# Altium PCB PCB_Vega.PcbDoc (part 1 of 2) (continued)
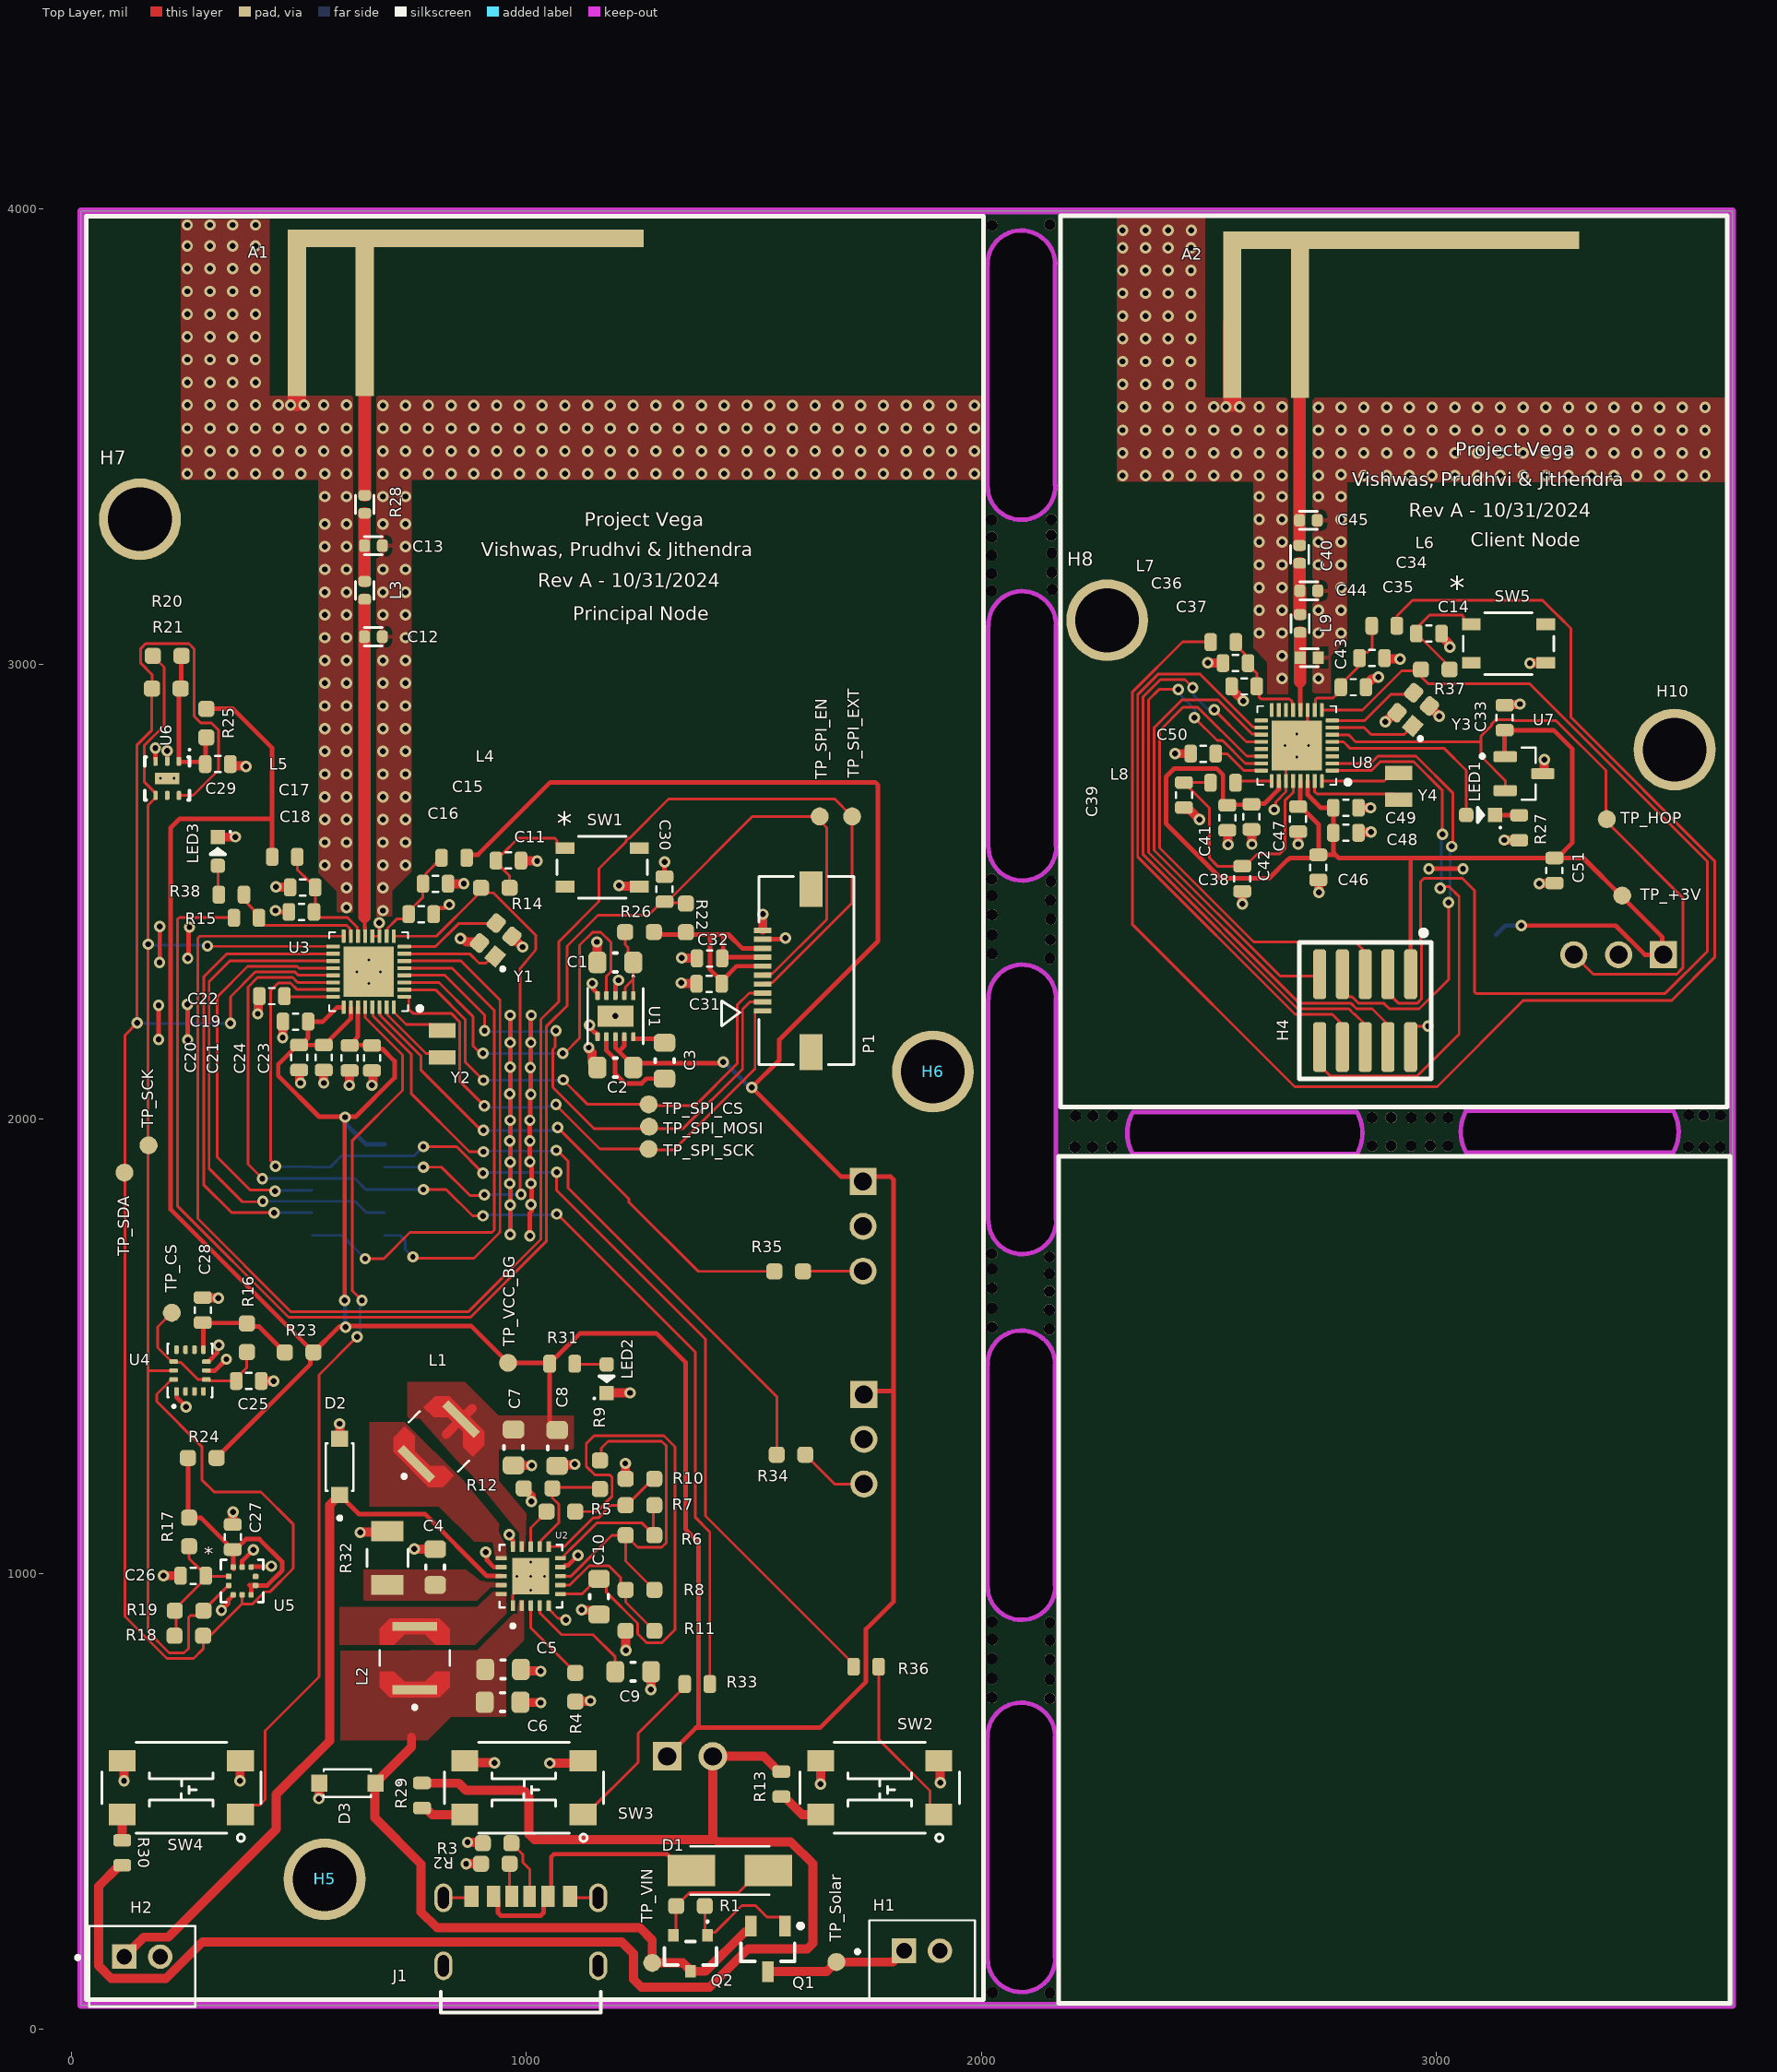
[diagram p0: Top Layer view]
## Components (designator, comment, footprint, x,y, rotation, side; value= is the part's Value field where it differs from the comment)
A1 "FANT 2.4GHz" FANT_2P4 476,3589 r0 top
A2 "FANT 2.4GHz" FANT_2P4 2532,3585 r0 top
BT1 "BAT_3034" BAT_3034 2698.52,2430 r180 bottom
C1 "2.2uF" CAP_0603_1MM 1196,2344 r0 top
C2 "2.2uF" CAP_0603_1MM 1196,2113 r0 top
C3 "0.47uF" CAP_0603_1MM 1304,2128 r90 top
C4 "4.7uF" CAP_0603_1MM 800,1015 r270 top
C5 "4.7uF" CAP_0603_1MM 949,790 r180 top
C6 "0.1uF" CAP_0603_1MM 948,718 r180 top
C7 "47uF" CAP_0603_1MM 972,1278 r90 top
C8 "0.1uF" CAP_0603_1MM 1068,1277 r90 top
C9 "0.01uF" CAP_0603_1MM 1235,785 r180 top
C10 "1uF" CAP_0603_1MM 1160,950 r90 top
C11 "0.1uF" CAPC1608X90 961,2568 r0 top
C12 "1.9pF" 0402_Passive_Capacitor#1 664,3060 r0 top value=1uF
C13 "0.9pF" 0402_Passive_Capacitor#1 664,3260 r0 top value=1uF
C14 "0.1uF" CAPC1608X90 2984,3067 r0 top
C15 "0.1uF" CAPC1608X90 800.56,2517 r0 top
C16 "120pF" CAPC1608X90 769,2450 r0 top
C17 "0.1uF" CAPC1608X90 508.56,2509 r180 top
C18 "120pF" CAPC1608X90 506,2455 r180 top
C19 "0.1uF" CAPC1608X90 493,2214 r180 top
C20 "1uF" CAPC1608X90 501,2135 r270 top
C21 "0.01uF" CAPC1608X90 555,2135 r270 top
C22 "1uF" CAPC1608X90 441,2270 r180 top
C23 "1uF" CAPC1608X90 661,2134 r270 top
C24 "0.1uF" CAPC1608X90 612,2134 r270 top
C25 "0.1uF" CAPC1608X90 390,1424 r180 top
C26 "0.1uF" CAPC1608X90 268,996 r180 top
C27 "0.1uF" CAPC1608X90 355,1081 r270 top
C28 "0.1uF" CAPC1608X90 289,1580 r90 top
C29 "0.1uF" CAPC1608X90 322,2780 r180 top
C30 "0.1uF" CAPC1608X90 1304,2505 r270 top
C31 "0.1uF" CAPC1608X90 1402,2297 r0 top
C32 "10uF" CAPC1608X90 1403,2353 r0 top
C33 "1uF" CAPC1608X90 3150.56,2882 r270 top
C34 "0.1uF" CAPC1608X90 2859,3013 r0 top
C35 "120pF" CAPC1608X90 2818,2949 r0 top
C36 "0.1uF" CAPC1608X90 2559,3002 r180 top
C37 "120pF" CAPC1608X90 2578,2951 r180 top
C38 "0.1uF" CAPC1608X90 2574,2528 r270 top
C39 "4.7uF" CAPC1608X90 2445.56,2712 r270 top
C40 "1uF" 0402_Passive_Capacitor#1 2700,3241 r90 top value=18pF
C41 "10uF" CAPC1608X90 2541,2662 r270 top
C42 "0.1uF" CAPC1608X90 2594,2664 r270 top
C43 "1uF" 0402_Passive_Capacitor#2 2721,3014 r180 top
C44 "1.3pF" 0402_Passive_Capacitor#1 2720,3161 r180 top value=1uF
C45 "1.3pF" 0402_Passive_Capacitor#1 2719,3316 r0 top value=1uF
C46 "1uF" CAPC1608X90 2741,2553 r270 top
C47 "0.01uF" CAPC1608X90 2696.56,2659 r270 top
C48 "1uF" CAPC1608X90 2801.56,2629 r0 top
C49 "0.1uF" CAPC1608X90 2801.56,2684 r0 top
C50 "1uF" CAPC1608X90 2488,2803 r180 top
C51 "10uF" CAPC1608X90 3260,2546 r270 top
D1 "SS12" DIOM4427X270N 1448,348 r180 top
D2 "BZT52C4V7T-7" SOD3715X135N 590,1235 r90 top
D3 "BZT52C4V7T-7" SOD3715X135N 607,540 r180 top
H1 "JST2PH" JST_B2B-PH-K-S(LF)(SN) 1870,150 r180 top
H2 "JST2PH" JST_B2B-PH-K-S(LF)(SN) 156,137 r180 top
H3 "Mini SWD" FTSH-105-01-XXX-DV-K 609,1844 r270 bottom
H4 "Mini SWD" FTSH-105-01-XXX-DV-K 2844,2238 r180 top
H5 "#4 Hole" HOLE_#4 557,329 r0 top
H6 "#4 Hole" HOLE_#4 1894,2104 r0 top
H7 "#4 Hole" HOLE_#4 151,3318 r0 top
H8 "#4 Hole" HOLE_#4 2277,3096 r0 top
H9 "0.1\" M Header" 2-PIN_MALE_HEADER_01-IN 1360,599 r0 bottom
H10 "#4 Hole" HOLE_#4 3524,2812 r0 top
J1 "Female USB Type C" GCT_USB4125-GF-A_REVA2 988,170 r0 top
J2 "S3B-XH-A" JST_S3B-XH-A 3401,2340.33 r0 bottom
J3 "S3B-XH-A" JST_S3B-XH-A 1763,1296 r90 bottom
J4 "S3B-XH-A" JST_S3B-XH-A 1761,1764 r90 bottom
L1 "10uH" IND_LPS4018-103MRB 808,1291 r45 top
L2 "22uH" IND_LPS4018-223MRC 755,815 r90 top
L3 "2.1nH" 0402_Inductor 645,3162 r90 top
L4 "1 kOhms @ 100 MHz" INDC1608X95N 841.56,2574 r180 top
L5 "1 kOhms @ 100 MHz" INDC1608X95N 469.2,2576.01 r0 top
L6 "1 kOhms @ 100 MHz" INDC1608X95N 2886,3084 r180 top
L7 "1 kOhms @ 100 MHz" INDC1608X95N 2532,3048 r0 top
L8 "2.2uH" INDC1608X95N 2531.56,2739 r180 top
L9 "2.6nH" 0402_Inductor 2701,3089 r90 top
LED1 "GRN 0603" LED_0603_GRN_WL-SMCW 3097.56,2668 r180 top
LED2 "GRN 0603" LED_0603_GRN_WL-SMCW 1177,1429 r90 top
LED3 "GRN 0603" LED_0603_GRN_WL-SMCW 322,2588 r270 top
P1 "FPC/FFC -5051101092" CON_5051101092_MOL 1616,2326 r90 top
Q1 "NCE3407A" NCEP-SOT23-3_M 1531,176 r270 top
Q2 "2N7002,215" NXP-SOT23-3_V 1361,166 r270 top
R1 "5.1K 1%" RES_0603_1608X06 1361,270 r180 top value=316kR
R2 "5.1K 1%" RES_0603_1608X06 932,363 r180 top value=316kR
R3 "5.1K 1%" RES_0603_1608X06 936,408 r180 top value=316kR
R4 "0E 1%" RES_0603_1608X06 1108,751 r90 top value=316kR
R5 "1.24M 1%" RES_0603_1608X06 1076,1137 r180 top value=316kR
R6 "1M 1%" RES_0603_1608X06 1250,1085 r0 top value=316kR
R7 "7.5M 1%" RES_0603_1608X06 1250,1151 r180 top value=316kR
R8 "7.32M 1%" RES_0603_1608X06 1250,965 r180 top value=316kR
R9 "8.060M 1%" RES_0603_1608X06 1162,1218 r270 top value=316kR
R10 "4.32M 1%" RES_0603_1608X06 1250,1209 r180 top value=316kR
R11 "5.62M 1%" RES_0603_1608X06 1250,875 r180 top value=316kR
R12 "4.75M 1%" RES_0603_1608X06 1026,1188 r180 top value=316kR
R13 "5.1K 1%" RES_0603 1561,538 r270 top value=316kR
R14 "140 ohm 1 %" RES_0603_1608X06 932,2508 r0 top value=140R
R15 "0ohm 1%" RES_0603 385,2442 r180 top
R16 "0ohm 1 %" RES_0603_1608X06 386,1519 r270 top value=140R
R17 "0R 1 %" RES_0603_1608X06 259,1092 r270 top value=140R
R18 "10Kohm 1 %" RES_0603_1608X06 258.5,864 r0 top value=140R
R19 "10Kohm 1 %" RES_0603_1608X06 259,919 r0 top value=140R
R20 "10Kohm 1 %" RES_0603_1608X06 211,3018 r0 top value=140R
R21 "10Kohm 1 %" RES_0603_1608X06 209,2946 r0 top value=140R
R22 "0 ohm 1 %" RES_0603_1608X06 1351,2442 r270 top value=140R
R23 "0 ohm 1 %" RES_0603_1608X06 501,1487 r180 top value=140R
R24 "0 ohm 1 %" RES_0603_1608X06 288,1255 r180 top value=140R
R25 "0 ohm 1 %" RES_0603_1608X06 297,2870 r270 top value=140R
R26 "0 ohm 1 %" RES_0603_1608X06 1249,2411 r0 top value=140R
R27 "1K" RES_0603 3182.56,2640 r90 top
R28 "0E Ohm 1%" 0402_Passive_Resistor 645,3351 r90 top value="0 Ohm"
R29 "5.1K 1%" RES_0603 771,513 r270 top value=316kR
R30 "5.1K 1%" RES_0603 112,387 r90 top value=316kR
R31 "1k Ohm" RES_0603 1079,1462 r180 top
R32 "10k" 1206_Passive_Resitor 695,1035 r90 top value=0E
R33 "0ohm 1%" RES_0603 1376,758 r180 top
R34 "140 ohm 1 %" RES_0603_1608X06 1582,1262 r180 top value=140R
R35 "140 ohm 1 %" RES_0603_1608X06 1577,1665 r0 top value=140R
R36 "0ohm 1%" RES_0603 1747,796 r0 top
R37 "140 ohm 1 %" RES_0603_1608X06 2998,2988 r0 top value=140R
R38 "1Kohm 1%" RES_0603 352,2493 r180 top
SW1 "PRS810 SW" PTS810_CNK 1167,2553 r0 top
SW2 "TL3305AF160QG" Switch_JLC 1777,530 r180 top
SW3 "TL3305AF160QG" Switch_JLC 995,530 r180 top
SW4 "TL3305AF160QG" Switch_JLC 242,530 r180 top
SW5 "PRS810 SW" PTS810_CNK 3159,3045 r0 top
TP_+3V "+5V" 1#1 3409,2491 r90 top
TP_CS "Test_point" 1#1 221,1574 r0 top
TP_HOP "HE_sensor_o/p" 1#1 3375,2659 r90 top
TP_SCK "Test_point" 1#1 170,1942 r0 top
TP_SDA "Test_point" 1#1 117,1882 r0 top
TP_Solar "Test_point" 1#1 1682,147 r0 top
TP_SPI_CS "Test_point" 1#2 1269,2037 r90 top
TP_SPI_EN "Test_point" 1#1 1645,2665 r90 top
TP_SPI_EXT "Test_point" 1#3 1716.34,2667.94 r90 top
TP_SPI_MOSI "Test_point" 1#4 1273,1983 r180 top
TP_SPI_SCK "Test_point" 1#5 1269,1938 r0 top
TP_VCC_BG "Test_point" 1#1 960,1464 r90 top
TP_VIN "Test_point" 1#1 1277,145 r0 top
U1 "LM2750SD-5.0" LM2750_DFN300X300X80-11N 1196,2226 r270 top
U2 "BQ25570RGRT_New" "QFN50P350X350X100-21N - DUPLICATE" 1010,995.04 r90 top
U3 "EFR32BG21A010F1024IM32-BR" QFN32-EFR32XG2XIM32-BR 653.85,2323.63 r180 top
U4 "BMI270" XDCR_BMI270 261,1447 r90 top
U5 "BMP581" QFN10_BMP581_BOS-M 375.68,984.49 r0 top
U6 "OPT3001DNPR" OPT3001-SON127P600-8N 211,2748.6 r270 top
U7 "TMAG5231A2DQDBZR" SOT95P237X112-3N 3193,2759 r0 top
U8 "QFN-EFR32MG22C224F512IM32-C" QFN32-EFR32XG2XIM32-BR 2693.68,2820.85 r180 top
Y1 "OSC_38.4MHz" OSC_38.4MHZ 933,2394 r140 top
Y2 "OSC_32.768KHz" OSC_32.768KHZ 815,2165 r270 top
Y3 "OSC_38.4MHz" OSC_38.4MHZ 2949.69,2900.31 r140 top
Y4 "OSC_32.768KHz" OSC_32.768KHZ 2917.56,2731 r90 top

## Footprints (in the part's own frame and the unit in brackets; to place one, negate y for a bottom-side part, rotate by r counter-clockwise, add the part's x,y. Pads: shape width x height; smd on the part's side, far side on the other; paste and mask are expansions set on the pad)
1#1 [mm] "Test point"
  round 1 smd: TP(0,0)
1#2 [mm] "Test point"
  round 1 smd: TP(-0.127,0)
1#3 [mm] "Test point"
  round 1 smd: TP(-0.075,0)
1#4 [mm] "Test point"
  round 1 smd: TP(0.076,0)
1#5 [mm] "Test point"
  round 1 smd: TP(0,-0.102)
2-PIN_MALE_HEADER_01-IN [mm] "Terminal Assembly, 1x2 Pins, Vertical, 2.54mm Pitch, Male"
  rect 1.6x1.6 hole 1.02: 1(-1.27,0)
  round 1.6 hole 1.02: 2(1.27,0)
  silkscreen extent -2.73,-1.24 2.73,1.24, body extent -2.54,-1.22 2.54,1.27, height 8.54
0402_Inductor [mm] "Reference: https://www.worthingtonassembly.com/perfect-0402-footprint"
  rrect50% 0.6x0.7 smd mask+0: 1(-0.5,0) 2(0.5,0)
  silkscreen extent -0.51,-0.51 0.51,0.51, body extent -0.5,-0.27 0.5,0.28, height 0.5
0402_Passive_Capacitor#1 [mm] "Reference: https://www.worthingtonassembly.com/perfect-0402-footprint"
  rrect50% 0.6x0.7 smd mask+0: 1(-0.5,0) 2(0.5,0)
  silkscreen extent -0.51,-0.51 0.51,0.51, body extent -0.5,-0.27 0.5,0.28, height 0.5
0402_Passive_Capacitor#2 [mm] "Reference: https://www.worthingtonassembly.com/perfect-0402-footprint"
  rect 0.6x0.7 smd mask+0: 1(-0.5,0) 2(0.5,0)
  silkscreen extent -0.51,-0.51 0.51,0.51, body extent -0.5,-0.27 0.5,0.28, height 0.5
0402_Passive_Resistor [mm] "Reference: https://www.worthingtonassembly.com/perfect-0402-footprint"
  rrect50% 0.6x0.7 smd mask+0: 1(-0.5,0) 2(0.5,0)
  silkscreen extent -0.51,-0.51 0.51,0.51, body extent -0.49,-0.25 0.51,0.25, height 0.4
1206_Passive_Resitor [mil]
  rect 44x71 smd: 1(-59,0) 2(59,0)
  silkscreen extent -19,-45 19,45, body extent -61,-31 61,31, height 26
BAT_3034 [mm]
  round 7.62 smd paste-3: N(0,0)
  rect 1.27x5.08 smd: P1(-10.985,0) P2(10.985,0)
  silkscreen extent -10.61,-8.73 10.61,7.74, body extent -11.62,-8.76 11.62,7.72, height 4.06
CAP_0603_1MM [mm] "Chip Capacitor, 2-Leads, Body 1.60x0.80mm, IPC Medium Density"
  rrect50% 1x1.2 smd: 1(-1,0) 2(1,0)
  silkscreen extent -0.1,-0.53 0.1,0.53, body extent -0.9,-0.5 0.9,0.5, height 1
CAPC1608X90 [mm]
  rrect50% 0.7x1 smd: 1(-0.7,0) 2(0.7,0)
  silkscreen extent -0.15,-0.45 0.15,0.45, body extent -0.8,-0.4 0.8,0.4, height 0.9
CON_5051101092_MOL [mm] "10 Position FFC, FPC Connector Contacts, Bottom 0.020\" (0.50mm) Surface Mount, Right Angle"
  rect 0.3x1 smd paste+0 mask+0.025: 1(-2.25,2.45) 2(-1.75,2.45) 3(-1.25,2.45) 4(-0.75,2.45) 5(-0.25,2.45) 6(0.25,2.45) 7(0.75,2.45) 8(1.25,2.45) 9(1.75,2.45) 10(2.25,2.45)
  rect 2x1.3 smd paste+0 mask+0.025: P1(-4.55,-0.25) P2(4.55,-0.25)
  silkscreen extent -5.25,-2.65 5.25,4.74, body extent -5.25,-2.72 5.25,2.58, height 1.88
DIOM4427X270N [mm]
  rect 2.65x1.75 smd: A(2.15,0) C(-2.15,0)
  silkscreen extent -2.2,-1.35 2.2,1.35, body extent -2.6,-1.36 2.6,1.36, height 2.71
FANT_2P4 [mil]
  rect 40x331 smd paste-1000 mask+4: FEED(169,165.5) GND(20,165.5)
  rect 782x39 smd paste-1000 mask+4: GND(391,346.5)
FTSH-105-01-XXX-DV-K [mil]
  rrect50% 29x110 smd mask+2: 1(-100,-80) 2(-100,80) 3(-50,-80) 4(-50,80) 5(0,-80) 6(0,80) 7(50,-80) 8(50,80) 9(100,-80) 10(100,80)
  silkscreen extent -145,-177 145,150, body extent -125,-115 125,115, height 241
GCT_USB4125-GF-A_REVA2 [mm]
  rect 0.7x1.2 smd mask+0.051: A5(-0.5,3.08) B5(0.5,3.08)
  rect 0.76x1.2 smd mask+0.051: A9(1.52,3.08) B9(-1.52,3.08)
  rect 0.8x1.2 smd mask+0.051: A12(2.75,3.08) B12(-2.75,3.08)
  oval 1x1.6 hole 0.6 slot 1.2 at 90 deg mask+0: S1(-4.32,3) S2(4.32,3) S3(-4.32,-0.8) S4(4.32,-0.8)
  silkscreen extent -4.47,-3.4 4.47,-2.25, body extent -4.47,-3.45 4.47,3.45, height 3.26
HOLE_#4 [mil]
  round 180 hole 140: 1(0,0)
IND_LPS4018-103MRB [mm]
  rect 0.5x2.5 smd paste-2 mask+0: 1(-1.765,0) 2(1.765,0)
  Top Layer region: 2.2,1.395 2.2,-1.395 1.64,-1.945 0.75,-1.945 0.75,-1.17 1.33,-0.575 1.33,0.575 0.75,1.17 0.75,1.945 1.64,1.945
  Top Layer region: -0.75,1.17 -1.33,0.575 -1.33,-0.575 -0.75,-1.17 -0.75,-1.945 -1.64,-1.945 -2.2,-1.395 -2.2,1.395 -1.64,1.945 -0.75,1.945
  silkscreen extent -2.85,-1.95 0.43,1.95, body extent -1.99,-2.03 1.99,1.95, height 1.81
IND_LPS4018-223MRC [mm]
  rect 0.5x2.5 smd paste-2 mask+0: 1(-1.765,0) 2(1.765,0)
  Top Layer region: 2.2,1.395 2.2,-1.395 1.64,-1.945 0.75,-1.945 0.75,-1.17 1.33,-0.575 1.33,0.575 0.75,1.17 0.75,1.945 1.64,1.945
  Top Layer region: -0.75,1.17 -1.33,0.575 -1.33,-0.575 -0.75,-1.17 -0.75,-1.945 -1.64,-1.945 -2.2,-1.395 -2.2,1.395 -1.64,1.945 -0.75,1.945
  silkscreen extent -2.85,-1.95 0.43,1.95, body extent -1.99,-1.99 1.99,1.99, height 1.8
INDC1608X95N [mm]
  rrect50% 0.7x1 smd: 1(-0.7,0) 2(0.7,0)
  body extent -0.8,-0.4 0.8,0.4, height 0.95
JST_B2B-PH-K-S(LF)(SN) [mm]
  rect 1.368x1.368 / inner round 1.368 / far side rect 1.368x1.368 hole 0.86: 1(1,-0.55)
  round 1.368 hole 0.86: 2(-1,-0.55)
  silkscreen extent -2.95,-2.25 3.7,2.25, body extent -2.95,-2.25 2.95,2.25, height 6.05
JST_S3B-XH-A [mm]
  rect 1.508x1.508 / inner round 1.508 / far side rect 1.508x1.508 hole 1: 1(2.5,-0.525)
  round 1.508 hole 1: 2(0,-0.525) 3(-2.5,-0.525)
  silkscreen extent -4.95,-2.88 5.85,2.88, body extent -4.95,-2.92 4.95,8.58, height 6.1
LED_0603_GRN_WL-SMCW [mm] "SODFL, 2-Leads, Body 0.80x1.80mm, IPC Medium Density"
  rrect50% 0.8x0.8 smd: A(0.8,0)
  rect 0.8x0.8 smd: C(-0.8,0)
  silkscreen extent -1.15,-0.4 0.15,0.75, body extent -0.8,-0.4 0.8,0.4, height 0.71
LM2750_DFN300X300X80-11N [mm]
  rect 0.5x0.25 smd: 1(-1.15,1)
  rrect50% 0.5x0.25 smd: 2(-1.15,0.5) 3(-1.15,0) 4(-1.15,-0.5) 5(-1.15,-1) 6(1.15,-1) 7(1.15,-0.5) 8(1.15,0) 9(1.15,0.5) 10(1.15,1)
  rect 1.2x2 smd: 11(0,0)
  silkscreen extent -2.28,-1.55 1.55,1.55, body extent -1.5,-1.5 1.5,1.5, height 0.8
NCEP-SOT23-3_M [mm] "SOT23, 3-Leads, Body 3x1.4mm, Pitch 0.95mm, IPC Low Density"
  rect 1.15x0.65 smd: 1(-1.275,0.95) 2(-1.275,-0.95) 3(1.275,0)
  silkscreen extent -1.4,-1.5 0.7,1.95, body extent -1.28,-1.5 1.28,1.5, height 1.15
NXP-SOT23-3_V [mm] "SOT23, 3-Leads, Body 2.9x1.3mm, Pitch 0.95mm"
  rect 0.7x0.6 smd paste-0.05: 1(-1,0.95) 2(-1,-0.95) 3(1,0)
  silkscreen extent -1.79,-1.45 0.65,1.45, body extent -1.3,-1.5 1.3,1.5, height 1.1
OPT3001-SON127P600-8N [mm] "SENSOR OPT 550NM AMBIENT 6 UDFN"
  rrect50% 0.5x0.25 smd mask+0.07: 1(-0.95,0.65) 2(-0.95,0) 3(-0.95,-0.65) 4(0.95,-0.65) 5(0.95,0) 6(0.95,0.65)
  rect 0.65x1.35 smd mask+0.07: 7(0,0)
  silkscreen extent -1.65,-1.25 1.2,1.3, body extent -1.05,-1.1 1.05,1.1, height 0.65
OSC_32.768KHZ [mm] "Tuning Fork Crystal 32.768kHz in 1.2 x 2.0mm package"
  rect 0.8x1.5 smd: 1(-0.75,0) 2(0.75,0)
  body extent -1,-0.6 1,0.6, height 0.6
OSC_38.4MHZ [mm] "38.4 MHz ±10ppm Crystal 10pF 40 Ohms 4-SMD, No Lead"
  rect 0.85x0.95 smd: 1(-0.575,0.725)
  rrect50% 0.85x0.95 smd: 2(-0.575,-0.725) 3(0.575,-0.725) 4(0.575,0.725)
  silkscreen extent -1.45,0.9 -1.25,1.1, body extent -0.8,-0.99 0.8,1.01, height 0.7
PTS810_CNK [mil]
  rect 41x26 smd paste+0 mask+0: 1(-81.69,42.32) 2(81.69,42.32) 3(-81.69,-42.32) 4(81.69,-42.32)
  silkscreen extent -100,-68 100,68, body extent -91,-63 91,63, height 106
QFN10_BMP581_BOS-M [mm]
  rect 0.325x0.3 smd paste+0 mask+0.05: 1(-0.75,0.25)
  rrect50% 0.325x0.3 smd paste+0 mask+0.05: 2(-0.75,-0.25) 6(0.75,-0.25) 7(0.75,0.25)
  rrect50% 0.3x0.325 smd paste+0 mask+0.05: 3(-0.5,-0.775) 4(0,-0.775) 5(0.5,-0.775) 8(0.5,0.775) 9(0,0.775) 10(-0.5,0.775)
  silkscreen extent -1.18,-1.18 1.18,1.18, body extent -1.05,-1.05 1.05,1.05, height 0.81
QFN32-EFR32XG2XIM32-BR [mm] "QFN, 32-Leads, Body 4.00x4.00mm, Pitch 0.40mm, Thermal Pad 2.80x2.80mm, IPC Medium Density"
  rrect50% 0.76x0.22 smd mask+0.06: 1(-1.985,1.4) 8(-1.985,-1.4) 17(1.985,-1.4) 24(1.985,1.4)
  rect 0.76x0.22 smd mask+0.06: 2(-1.985,1) 3(-1.985,0.6) 4(-1.985,0.2) 5(-1.985,-0.2) 6(-1.985,-0.6) 7(-1.985,-1) 18(1.985,-1) 19(1.985,-0.6) 20(1.985,-0.2) 21(1.985,0.2) 22(1.985,0.6) 23(1.985,1)
  rrect50% 0.22x0.76 smd mask+0.06: 9(-1.4,-1.985) 16(1.4,-1.985) 25(1.4,1.985) 32(-1.4,1.985)
  rect 0.22x0.76 smd mask+0.06: 10(-1,-1.985) 11(-0.6,-1.985) 12(-0.2,-1.985) 13(0.2,-1.985) 14(0.6,-1.985) 15(1,-1.985) 26(1,1.985) 27(0.6,1.985) 28(0.2,1.985) 29(-0.2,1.985) 30(-0.6,1.985) 31(-1,1.985)
  rect 2.8x2.8 smd paste-1817.05: 33(0,0)
  rect 1.1x1.1 on Top Paste mask+0.06: ""(-0.65,0.65) ""(-0.65,-0.65) ""(0.65,0.65) ""(0.65,-0.65)
  silkscreen extent -2.98,-2.2 2.2,2.2, body extent -2.05,-2.05 2.05,2.05, height 0.9
"QFN50P350X350X100-21N - DUPLICATE" [mm]
  rect 0.6x0.24 smd mask+0.07: 1(-1.65,1)
  rrect25% 0.6x0.24 smd mask+0.07: 2(-1.65,0.5) 3(-1.65,0) 4(-1.65,-0.5) 5(-1.65,-1) 11(1.65,-1) 12(1.65,-0.5) 13(1.65,0) 14(1.65,0.5) 15(1.65,1)
  rrect25% 0.24x0.6 smd mask+0.07: 6(-1,-1.65) 7(-0.5,-1.65) 8(0,-1.65) 9(0.5,-1.65) 10(1,-1.65) 16(1,1.65) 17(0.5,1.65) 18(0,1.65) 19(-0.5,1.65) 20(-1,1.65)
  rect 2.05x2.05 smd paste-1817.05 mask+0.07: 21(0,0)
  rect 0.92x0.92 on Top Paste paste-0.375 mask+0.07: ""(-0.56,-0.56) ""(-0.56,0.56) ""(0.56,-0.56) ""(0.56,0.56)
  silkscreen extent -2.88,-1.75 1.75,1.75, body extent -1.75,-1.75 1.75,1.75, height 1
RES_0603 [mm] "Thick film general purpose resistor 0603"
  rrect50% 0.7x1 smd: 1(-0.7,0) 2(0.7,0)
  body extent -0.8,-0.4 0.8,0.4, height 0.55
RES_0603_1608X06 [mm] "Chip Resistor, 2-Leads, Body 1.60x0.80mm, IPC Medium Density"
  rrect50% 0.9x0.9 smd: 1(-0.8,0) 2(0.8,0)
  body extent -0.78,-0.43 0.77,0.42, height 0.45
SOD3715X135N [mm]
  rect 0.9x0.95 smd: 1(-1.575,0) 2(1.575,0)
  silkscreen extent -2.95,-0.77 1.33,0.77, body extent -1.83,-0.77 1.83,0.77, height 1.45
SOT95P237X112-3N [mm]
  rrect25% 1.3x0.6 smd: 1(-1.05,0.95) 2(-1.05,-0.95) 3(1.05,0)
  silkscreen extent -2.42,-1.46 0.65,1.46, body extent -1.18,-1.46 1.18,1.46, height 1.12
Switch_JLC [mm]
  rect 1.5x1.2 smd: 1(-3.3,1.5) 2(3.3,1.5) 3(-3.3,-1.5) 4(3.3,-1.5)
  silkscreen extent -4.44,-2.54 4.45,3, body extent -3.8,-2.29 3.7,2.21, height 3.7
XDCR_BMI270 [mm]
  rect 0.475x0.25 smd: 1(-1.162,0.75)
  rrect50% 0.475x0.25 smd: 2(-1.162,0.25) 3(-1.162,-0.25) 4(-1.162,-0.75) 8(1.162,-0.75) 9(1.162,-0.25) 10(1.162,0.25) 11(1.162,0.75)
  rrect50% 0.25x0.475 smd: 5(-0.5,-0.913) 6(0,-0.913) 7(0.5,-0.913) 12(0.5,0.913) 13(0,0.913) 14(-0.5,0.913)
  silkscreen extent -2.07,-1.25 1.5,1.25, body extent -1.5,-1.25 1.5,1.25, height 0.87

## Part data
A1 A2: library part FANT_2P4, "Inverted F antenna"
BT1: "SMT Holder for 20mm Cell-Tin Nickel Plate", Package=None, Supplier Part Number 1=36-3034-ND, Availability="Not in stock", Check_prices=https://www.snapeda.com/parts/3034/Keystone+Electronics/view-part/?ref=eda, MF="Keystone Electronics Corp.", MP=3034, Price=None, SnapEDA_Link=https://www.snapeda.com/parts/3034/Keystone+Electronics/view-part/?ref=snap, Supplier 1=Digikey
C1: library part GRM188R61A226ME15D, Capacitance="22 uF", Case Code - in=0603, Case Code - mm=1608, Dielectric=X5R, Manufacturer=Murata, Maximum Operating Temperature="+ 85 C", Minimum Operating Temperature="- 55 C", Package / Case="0603 (1608 metric)", Supplier Part Number 1=490-10476-1-ND, Tolerance="20 %", Voltage Rating DC="10 VDC", Brand="Murata Electronics", ComponentLink1Description=http://www.farnell.com/datasheets/2047978.pdf?src-supplier=Element14, ComponentLink1URL=http://www.farnell.com/datasheets/2047978.pdf?src-supplier=Element14, Factory Pack Quantity=4000, Height="0.8 mm", Length="1.6 mm", Manufacturer Part Number=GRM188R61A226ME15D, Packaging=Reel, Pricing 1="1=0.33, 10=0.226, 50=0.1506, 100=0.1279, 500=0.0903, 1000=0.079 (USD)", Product="General Type MLCCs", Product Category="Multilayer Ceramic Capacitors MLCC - SMD/SMT", RoHS=True, Series=GRM, Stock 1=849458, Supplier 1=Digi-Key, Termination Style=SMD/SMT, Type="Voltage and Temperature Derating Recommended Product", Unit Weight="0.000222 oz", Width="0.8 mm"
C2 C3 C4 C5 C6 C7 C8 C9 C10: library part GRM188R61A226ME15D, "CAP CER 22UF 10V X5R 0603", Capacitance="22 uF", Case Code - in=0603, Case Code - mm=1608, Dielectric=X5R, Manufacturer=Murata, Maximum Operating Temperature="+ 85 C", Minimum Operating Temperature="- 55 C", Package / Case="0603 (1608 metric)", Supplier Part Number 1=490-10476-1-ND, Tolerance="20 %", Voltage Rating DC="10 VDC", Brand="Murata Electronics", ComponentLink1Description=http://www.farnell.com/datasheets/2047978.pdf?src-supplier=Element14, ComponentLink1URL=http://www.farnell.com/datasheets/2047978.pdf?src-supplier=Element14, Factory Pack Quantity=4000, Height="0.8 mm", Length="1.6 mm", Manufacturer Part Number=GRM188R61A226ME15D, Packaging=Reel, Pricing 1="1=0.33, 10=0.226, 50=0.1506, 100=0.1279, 500=0.0903, 1000=0.079 (USD)", Product="General Type MLCCs", Product Category="Multilayer Ceramic Capacitors MLCC - SMD/SMT", RoHS=True, Series=GRM, Stock 1=849458, Supplier 1=Digi-Key, Termination Style=SMD/SMT, Type="Voltage and Temperature Derating Recommended Product", Unit Weight="0.000222 oz", Width="0.8 mm"
C11 C14 C15 C16 C17 C18 C19 C20 C21 C22 C23 C24 C25 C26 C27 C28 C29 C30 C31 C32: library part CC0603KRX7R9BB104, "0.1 ÂµF Â±10% 50V Ceramic Capacitor X7R 0603 (1608 Metric)", Package="0603 Yageo", Check_prices=https://www.snapeda.com/parts/CC0603KRX7R9BB104/Yageo/view-part/?ref=eda, MF=Yageo, MP=CC0603KRX7R9BB104, SnapEDA_Link=https://www.snapeda.com/parts/CC0603KRX7R9BB104/Yageo/view-part/?ref=snap
C12 C13 C40 C43 C44 C45: library part C_0402, "MULTILAYER CERAMIC CAPACITORS MLCC - SMD/SMT 1UF 25V 0402 ROHS", LCSC Part#=C52923, MFR Part #=CL05A105KA5NQNC, Datasheet=https://datasheet.lcsc.com/szlcsc/Samsung-Electro-Mechanics-CL05A105KA5NQNC_C52923.pdf, Type=Basic
C33 C38 C42 C46 C48 C49 C50: library part CC0603KRX7R9BB104, "0.1 ÂµF Â±10% 50V Ceramic Capacitor X7R 0603 (1608 Metric)", Package="0603 Yageo", Supplier Part Number 1=445-12472-1-ND, Check_prices=https://www.snapeda.com/parts/CC0603KRX7R9BB104/Yageo/view-part/?ref=eda, MF=Yageo, MP=CC0603KRX7R9BB104, SnapEDA_Link=https://www.snapeda.com/parts/CC0603KRX7R9BB104/Yageo/view-part/?ref=snap, Supplier 1=Digikey
C34 C36: library part CC0603KRX7R9BB104, "0.1 ÂµF Â±10% 50V Ceramic Capacitor X7R 0603 (1608 Metric)", Package="0603 Yageo", Supplier Part Number 1=445-7456-1-ND, Check_prices=https://www.snapeda.com/parts/CC0603KRX7R9BB104/Yageo/view-part/?ref=eda, MF=Yageo, MP=CC0603KRX7R9BB104, SnapEDA_Link=https://www.snapeda.com/parts/CC0603KRX7R9BB104/Yageo/view-part/?ref=snap, Supplier 1=Digikey
C35 C37: library part CC0603KRX7R9BB104, "0.1 ÂµF Â±10% 50V Ceramic Capacitor X7R 0603 (1608 Metric)", Package="0603 Yageo", Supplier Part Number 1=399-C0603C121J5GACTUCT-ND, Check_prices=https://www.snapeda.com/parts/CC0603KRX7R9BB104/Yageo/view-part/?ref=eda, MF=Yageo, MP=CC0603KRX7R9BB104, SnapEDA_Link=https://www.snapeda.com/parts/CC0603KRX7R9BB104/Yageo/view-part/?ref=snap, Supplier 1=Digikey
C39: library part CC0603KRX7R9BB104, "0.1 ÂµF Â±10% 50V Ceramic Capacitor X7R 0603 (1608 Metric)", Package="0603 Yageo", Supplier Part Number 1=399-C0603C475K9PAC7867CT-ND, Check_prices=https://www.snapeda.com/parts/CC0603KRX7R9BB104/Yageo/view-part/?ref=eda, MF=Yageo, MP=CC0603KRX7R9BB104, SnapEDA_Link=https://www.snapeda.com/parts/CC0603KRX7R9BB104/Yageo/view-part/?ref=snap, Supplier 1=Digikey
C41 C51: library part CC0603KRX7R9BB104, "0.1 ÂµF Â±10% 50V Ceramic Capacitor X7R 0603 (1608 Metric)", Package="0603 Yageo", Supplier Part Number 1=490-7202-1-ND, Check_prices=https://www.snapeda.com/parts/CC0603KRX7R9BB104/Yageo/view-part/?ref=eda, MF=Yageo, MP=CC0603KRX7R9BB104, SnapEDA_Link=https://www.snapeda.com/parts/CC0603KRX7R9BB104/Yageo/view-part/?ref=snap, Supplier 1=Digikey
C47: library part CC0603KRX7R9BB104, "0.1 ÂµF Â±10% 50V Ceramic Capacitor X7R 0603 (1608 Metric)", Package="0603 Yageo", Supplier Part Number 1=311-4054-1-ND, Check_prices=https://www.snapeda.com/parts/CC0603KRX7R9BB104/Yageo/view-part/?ref=eda, MF=Yageo, MP=CC0603KRX7R9BB104, SnapEDA_Link=https://www.snapeda.com/parts/CC0603KRX7R9BB104/Yageo/view-part/?ref=snap, Supplier 1=Digikey
D1: "DIODE SCHOTTKY 20V 1A DO214AC", Package="DO-214AC-214 ON Semiconductor", Availability=Good, Check_prices=https://www.snapeda.com/parts/SS12/Klein%20Tools,%20Inc./view-part/2177644/?ref=eda, ComponentLink1Description=digikey, ComponentLink1URL=https://www.digikey.com/en/products/detail/onsemi/SS12/1049858, MF="Klein Tools,", MP=SS12, Price=None, Purchase-URL=https://pricing.snapeda.com/search/part/SS12/?ref=eda, SnapEDA_Link=https://www.snapeda.com/parts/SS12/Klein%20Tools,%20Inc./view-part/2177644/?ref=snap
D2 D3: "Diode Zener Single 4.7V 6% 300mW 2-Pin SOD-523 T/R", Manufacturer=Diodes, Manufacturer_Name="Diodes Incorporated", Max Operating Temperature=150°C, Max Power Dissipation=300mW, Max Reverse Current=3uA, Min Operating Temperature=-65°C, Mouser Part Number=621-BZT52C4V7T-7, Package Quantity=3000, Supplier Part Number=BZT52C4V7T-7DICT-ND, Test Current=5mA, Tolerance=6%, Zener Voltage=4.7V, Category="Zener Diodes", ComponentLink1Description=https://datasheet.ciiva.com/25623/0900766b8104c33b-25623740.pdf?src-supplier=Rs, ComponentLink1URL=https://datasheet.ciiva.com/25623/0900766b8104c33b-25623740.pdf?src-supplier=Rs, ComponentLink2Description=https://datasheet.ciiva.com/4734/ds30502-85251-4734173.pdf?src-supplier=Mouser, ComponentLink2URL=https://datasheet.ciiva.com/4734/ds30502-85251-4734173.pdf?src-supplier=Mouser, Contact Plating=Tin,Matte, Datasheet Link=https://www.diodes.com//assets/Datasheets/ds30502.pdf, ESD Protection=No, Geometry.Height=0.65mm, Height=0.7mm, Impedance=80R, Length=1.3mm, Manufacturer Part Number=BZT52C4V7T-7, Manufacturer_Part_Number=BZT52C4V7T-7, Max Reverse Leakage Current=3uA, Mounting Technology="Surface Mount", Mouser Price/Stock=https://www.mouser.co.uk/ProductDetail/Diodes-Incorporated/BZT52C4V7T-7?qs=zLeapIUCO8SroLebLeUNYA%3D%3D, Packaging="Tape and Reel", Pins=2, Power Dissipation=300mW, Power Rating=300mW, Pricing="1=0.12, 10=0.08, 100=0.0538, 500=0.0408, 1000=0.03639 (USD)", RoHS=Yes, RoHS Compliant=Yes, Series=-, Stock=25726, Supplier=Digikey, Termination=SMD/SMT, Voltage Tolerance=6%, Weight=3.5E-05oz, Width=0.9mm, Zener Current=5mA
H1 H2: "Connector Header Through Hole 2 position 0.079\" (2.00mm)", Manufacturer=JST, Manufacturer Part Number=B2B-PH-K-S, Supplier Part Number=455-1704-ND, Category=Connectors, ComponentLink1Description=https://datasheet.ciiva.com/6905/phseries-6905929.pdf?src-supplier=Digi-Key, ComponentLink1URL=https://datasheet.ciiva.com/6905/phseries-6905929.pdf?src-supplier=Digi-Key, Pricing="1=0.19, 10=0.147, 100=0.1088, 500=0.09006, 1000=0.0788, 5000=0.06754, 10000=0.06567 (USD)", RoHS=Yes, Stock=1077617, Supplier=Digi-Key
H3 H4: library part "Debug Connector Mini SWD - 0.05\"", "Mini SWD 0.05 Pitch Connector - 10 Pin SMT Box Header", Manufacturer="Adafruit Industries", Manufacturer Part Number=4048, Supplier Part Number=1528-2827-ND, Category=Connectors, ComponentLink1Description=https://media.digikey.com/pdf/Data%20Sheets/Adafruit%20PDFs/4048_Web.pdf?src-supplier=Digi-Key, ComponentLink1URL=https://media.digikey.com/pdf/Data%20Sheets/Adafruit%20PDFs/4048_Web.pdf?src-supplier=Digi-Key, ComponentLink2Description=https://media.digikey.com/pdf/Data%20Sheets/Adafruit%20PDFs/4048_Web.pdf?src-supplier=Digikey, ComponentLink2URL=https://media.digikey.com/pdf/Data%20Sheets/Adafruit%20PDFs/4048_Web.pdf?src-supplier=Digikey, Connector Type=Header, Contact Finish - Mating=-, Contact Shape=Square, Contact Type="Male Pin", Fastening Type=Pull, Mounting Technology="Surface Mount", Number of Positions=10, Number of Rows=2, Pricing="1=1.95 (USD)", Pricing 1="1=1.95000 (USD)", RoHS=No, Series=-, Stock=198, Stock 1=201, Supplier=Digikey, Supplier 1=Digi-Key, Termination=Solder
H5 H6 H7 H8 H10: library part HOLE_#4
H9: library part PRPC002SAAN-RC, "CONN HEADER VERT 2POS 2.54MM", Color=Black, Manufacturer=Sullins, Standard Package=1, Supplier Part Number 1=S1011EC-02-ND, Category="Connectors, Interconnects", ComponentLink1Description=https://media.digikey.com/PDF/Data%20Sheets/Sullins%20PDFs/xRxCzzzSxxN-RC_ST_11635-B.pdf?src-supplier=Digi-Key, ComponentLink1URL=https://media.digikey.com/PDF/Data%20Sheets/Sullins%20PDFs/xRxCzzzSxxN-RC_ST_11635-B.pdf?src-supplier=Digi-Key, Connector Type="Header, Unshrouded, Breakaway", Contact Finish=Gold, Contact Finish Thickness=Flash, Contact Mating Length="0.230\" (5.84mm)", Contact Type="Male Pin", Family="Rectangular Connectors - Headers, Male Pins", Fastening Type=-, Features=-, Manufacturer Part Number=PRPC002SAAN-RC, Mounting Type="Through Hole", Number of Positions=2, Number of Positions Loaded=All, Number of Rows=1, Online Catalog="0.100\" (2.54mm) Pitch Connector Headers", Other Names="S9510E-02  S9510E-02-ND", Packaging=Bulk, Pitch="0.100\" (2.54mm)", Pricing 1="1=0.08, 10=0.073, 25=0.054, 50=0.0464, 100=0.0449, 250=0.0387, 500=0.0372 (USD)", Row Spacing=-, Series=-, Stock 1=42739, Supplier 1=Digi-Key, Termination=Solder